# Altium PCB XTIDA-010086.PcbDoc (part 2 of 17)
Units mm, origin at the board's own origin, x right, y up, seen from the top; angles counter-clockwise.
Board outline 375 x 210 mm, 6 copper layers (Top Layer, GND Layer, Signal Layer 1, Signal Layer 2, Power Layer, Bottom Layer), stack 1.575 mm thick; 1884 components, 1036 nets, 4948 pads, 6791 vias.
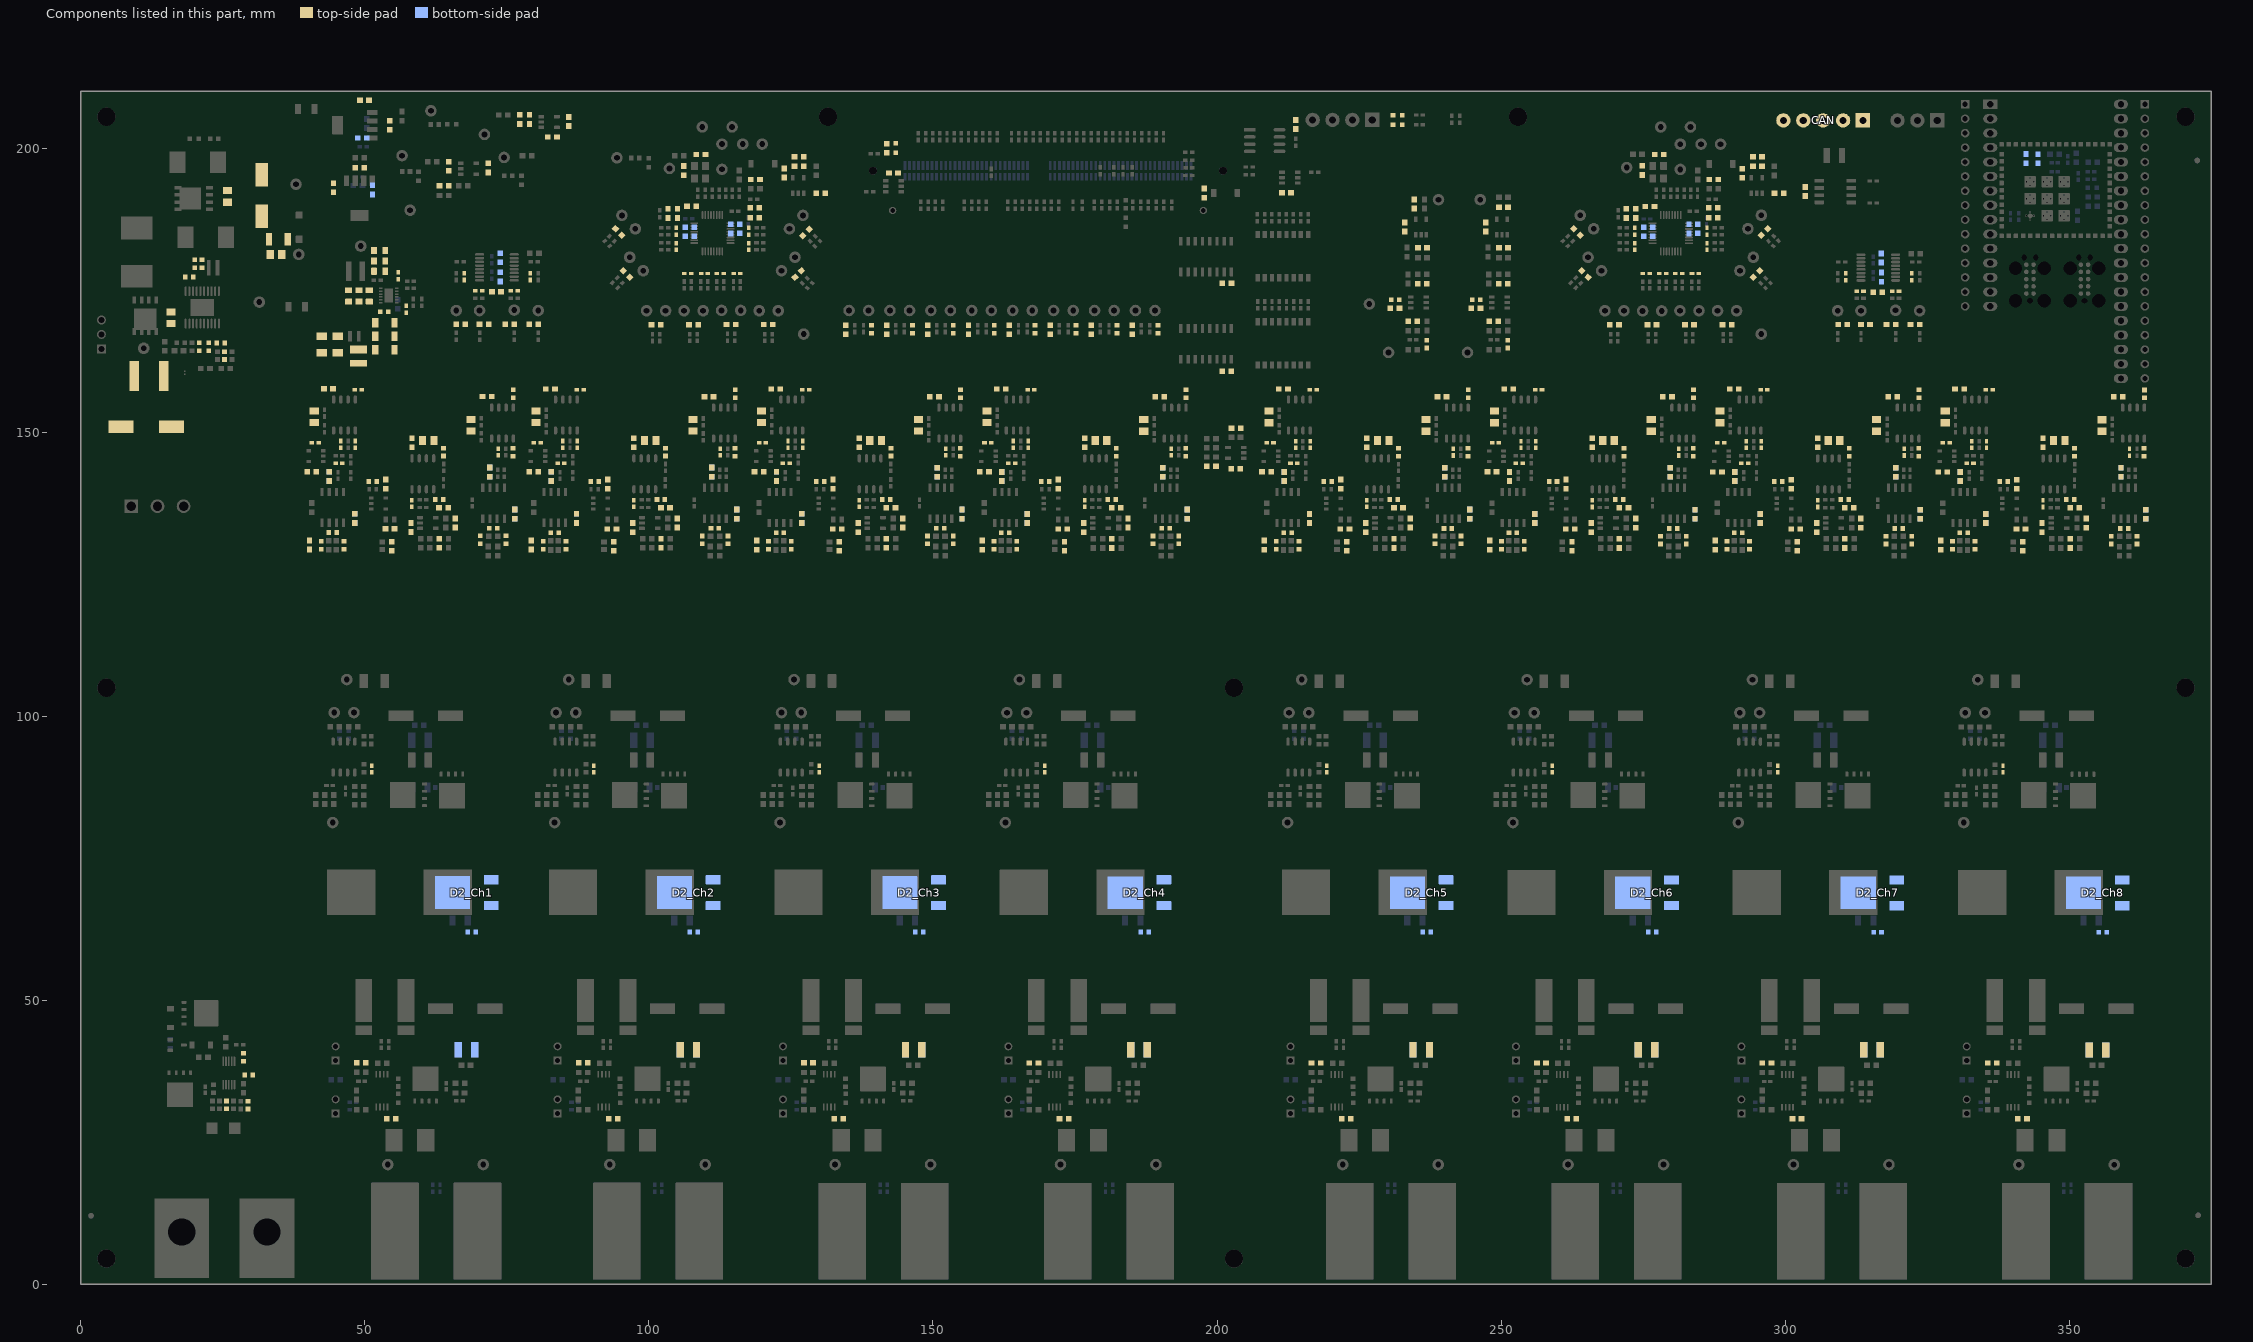
[diagram p6: the components of this part, seen from the top]

## Components (designator, comment, footprint, x,y, rotation, side; value= is the part's Value field where it differs from the comment) (continued)
C12_Ch2 "GRM32ER71A476ME15L" 1210_270 106.934,41.248 r0 top value=47uF (schematic designator C12)
C12_Ch3 "GRM32ER71A476ME15L" 1210_270 146.609,41.246 r0 top value=47uF (schematic designator C12)
C12_Ch4 "GRM32ER71A476ME15L" 1210_270 186.284,41.244 r0 top value=47uF (schematic designator C12)
C12_Ch5 "GRM32ER71A476ME15L" 1210_270 235.958,41.242 r0 top value=47uF (schematic designator C12)
C12_Ch6 "GRM32ER71A476ME15L" 1210_270 275.633,41.24 r0 top value=47uF (schematic designator C12)
C12_Ch7 "GRM32ER71A476ME15L" 1210_270 315.308,41.238 r0 top value=47uF (schematic designator C12)
C12_Ch8 "GRM32ER71A476ME15L" 1210_270 354.983,41.236 r0 top value=47uF (schematic designator C12)
C13_Ch1 "GRM32ER71A476ME15L" 1210_270 67.869,41.25 r0 bottom value=47uF (schematic designator C13)
C13_Ch2 "GRM32ER71A476ME15L" 1210_270 106.934,41.248 r0 bottom value=47uF (schematic designator C13)
C13_Ch3 "GRM32ER71A476ME15L" 1210_270 146.609,41.246 r0 bottom value=47uF (schematic designator C13)
C13_Ch4 "GRM32ER71A476ME15L" 1210_270 186.284,41.244 r0 bottom value=47uF (schematic designator C13)
C13_Ch5 "GRM32ER71A476ME15L" 1210_270 235.958,41.242 r0 bottom value=47uF (schematic designator C13)
C13_Ch6 "GRM32ER71A476ME15L" 1210_270 275.633,41.24 r0 bottom value=47uF (schematic designator C13)
C13_Ch7 "GRM32ER71A476ME15L" 1210_270 315.308,41.238 r0 bottom value=47uF (schematic designator C13)
C13_Ch8 "GRM32ER71A476ME15L" 1210_270 354.983,41.236 r0 bottom value=47uF (schematic designator C13)
C14_Ch1 "Capacitor" 0603 40.645,142.987 r0 top value=0.1uF (schematic designator C14)
C14_Ch2 "Capacitor" 0603 79.71,142.985 r0 top value=0.1uF (schematic designator C14)
C14_Ch3 "Capacitor" 0603 119.385,142.983 r0 top value=0.1uF (schematic designator C14)
C14_Ch4 "Capacitor" 0603 159.06,142.981 r0 top value=0.1uF (schematic designator C14)
C14_Ch5 "Capacitor" 0603 208.734,142.979 r0 top value=0.1uF (schematic designator C14)
C14_Ch6 "Capacitor" 0603 248.409,142.977 r0 top value=0.1uF (schematic designator C14)
C14_Ch7 "Capacitor" 0603 288.084,142.975 r0 top value=0.1uF (schematic designator C14)
C14_Ch8 "Capacitor" 0603 327.759,142.973 r0 top value=0.1uF (schematic designator C14)
C15_Ch1 "GRM1885C1H101JA01D" 0603L 68.834,61.976 r180 bottom value=100pF (schematic designator C15)
C15_Ch2 "GRM1885C1H101JA01D" 0603L 107.899,61.974 r180 bottom value=100pF (schematic designator C15)
C15_Ch3 "GRM1885C1H101JA01D" 0603L 147.574,61.972 r180 bottom value=100pF (schematic designator C15)
C15_Ch4 "GRM1885C1H101JA01D" 0603L 187.249,61.97 r180 bottom value=100pF (schematic designator C15)
C15_Ch5 "GRM1885C1H101JA01D" 0603L 236.924,61.968 r180 bottom value=100pF (schematic designator C15)
C15_Ch6 "GRM1885C1H101JA01D" 0603L 276.598,61.966 r180 bottom value=100pF (schematic designator C15)
C15_Ch7 "GRM1885C1H101JA01D" 0603L 316.273,61.964 r180 bottom value=100pF (schematic designator C15)
C15_Ch8 "GRM1885C1H101JA01D" 0603L 355.948,61.962 r180 bottom value=100pF (schematic designator C15)
C16_Ch1 "GRM155R71H122KA01D" 0402 45.45,144.515 r0 top value=1200pF (schematic designator C16)
C16_Ch2 "GRM155R71H122KA01D" 0402 84.515,144.513 r0 top value=1200pF (schematic designator C16)
C16_Ch3 "GRM155R71H122KA01D" 0402 124.19,144.511 r0 top value=1200pF (schematic designator C16)
C16_Ch4 "GRM155R71H122KA01D" 0402 163.865,144.509 r0 top value=1200pF (schematic designator C16)
C16_Ch5 "GRM155R71H122KA01D" 0402 213.539,144.507 r0 top value=1200pF (schematic designator C16)
C16_Ch6 "GRM155R71H122KA01D" 0402 253.214,144.505 r0 top value=1200pF (schematic designator C16)
C16_Ch7 "GRM155R71H122KA01D" 0402 292.889,144.503 r0 top value=1200pF (schematic designator C16)
C16_Ch8 "GRM155R71H122KA01D" 0402 332.564,144.501 r0 top value=1200pF (schematic designator C16)
C17_Ch1 "C0603C103J3GECAUTO" 0603 134.645,168.011 r270 top value=0.01uF (schematic designator C17)
C17_Ch2 "C0603C103J3GECAUTO" 0603 141.847,168.011 r270 top value=0.01uF (schematic designator C17)
C17_Ch3 "C0603C103J3GECAUTO" 0603 149.049,168.011 r270 top value=0.01uF (schematic designator C17)
C17_Ch4 "C0603C103J3GECAUTO" 0603 156.25,168.011 r270 top value=0.01uF (schematic designator C17)
C17_Ch5 "C0603C103J3GECAUTO" 0603 163.452,168.011 r270 top value=0.01uF (schematic designator C17)
C17_Ch6 "C0603C103J3GECAUTO" 0603 170.654,168.011 r270 top value=0.01uF (schematic designator C17)
C17_Ch7 "C0603C103J3GECAUTO" 0603 177.856,168.011 r270 top value=0.01uF (schematic designator C17)
C17_Ch8 "C0603C103J3GECAUTO" 0603 185.057,168.011 r270 top value=0.01uF (schematic designator C17)
C18_Ch1 "Capacitor" 0603 48.189,134.796 r90 bottom value=1uF (schematic designator C18)
C18_Ch2 "Capacitor" 0603 87.254,134.794 r90 bottom value=1uF (schematic designator C18)
C18_Ch3 "Capacitor" 0603 126.929,134.792 r90 bottom value=1uF (schematic designator C18)
C18_Ch4 "Capacitor" 0603 166.603,134.79 r90 bottom value=1uF (schematic designator C18)
C18_Ch5 "Capacitor" 0603 216.278,134.788 r90 bottom value=1uF (schematic designator C18)
C18_Ch6 "Capacitor" 0603 255.953,134.786 r90 bottom value=1uF (schematic designator C18)
C18_Ch7 "Capacitor" 0603 295.628,134.784 r90 bottom value=1uF (schematic designator C18)
C18_Ch8 "Capacitor" 0603 335.303,134.782 r90 bottom value=1uF (schematic designator C18)
C19_Ch1 "GRM1885C1H101JA01D" 0603L 44.333,132.29 r0 top value=100pF (schematic designator C19)
C19_Ch2 "GRM1885C1H101JA01D" 0603L 83.398,132.288 r0 top value=100pF (schematic designator C19)
C19_Ch3 "GRM1885C1H101JA01D" 0603L 123.073,132.286 r0 top value=100pF (schematic designator C19)
C19_Ch4 "GRM1885C1H101JA01D" 0603L 162.748,132.284 r0 top value=100pF (schematic designator C19)
C19_Ch5 "GRM1885C1H101JA01D" 0603L 212.423,132.282 r0 top value=100pF (schematic designator C19)
C19_Ch6 "GRM1885C1H101JA01D" 0603L 252.098,132.28 r0 top value=100pF (schematic designator C19)
C19_Ch7 "GRM1885C1H101JA01D" 0603L 291.772,132.278 r0 top value=100pF (schematic designator C19)
C19_Ch8 "GRM1885C1H101JA01D" 0603L 331.447,132.276 r0 top value=100pF (schematic designator C19)
C20_Ch1 "Capacitor" 0603 48.189,134.796 r90 top value=0.1uF (schematic designator C20)
C20_Ch2 "Capacitor" 0603 87.254,134.794 r90 top value=0.1uF (schematic designator C20)
C20_Ch3 "Capacitor" 0603 126.929,134.792 r90 top value=0.1uF (schematic designator C20)
C20_Ch4 "Capacitor" 0603 166.603,134.79 r90 top value=0.1uF (schematic designator C20)
C20_Ch5 "Capacitor" 0603 216.278,134.788 r90 top value=0.1uF (schematic designator C20)
C20_Ch6 "Capacitor" 0603 255.953,134.786 r90 top value=0.1uF (schematic designator C20)
C20_Ch7 "Capacitor" 0603 295.628,134.784 r90 top value=0.1uF (schematic designator C20)
C20_Ch8 "Capacitor" 0603 335.303,134.782 r90 top value=0.1uF (schematic designator C20)
C21_Ch1 "GRM1885C1H101JA01D" 0603L 46.32,130.085 r90 top value=DNP (schematic designator C21)
C21_Ch2 "GRM1885C1H101JA01D" 0603L 85.385,130.083 r90 top value=DNP (schematic designator C21)
C21_Ch3 "GRM1885C1H101JA01D" 0603L 125.06,130.081 r90 top value=DNP (schematic designator C21)
C21_Ch4 "GRM1885C1H101JA01D" 0603L 164.734,130.079 r90 top value=DNP (schematic designator C21)
C21_Ch5 "GRM1885C1H101JA01D" 0603L 214.409,130.077 r90 top value=DNP (schematic designator C21)
C21_Ch6 "GRM1885C1H101JA01D" 0603L 254.084,130.075 r90 top value=DNP (schematic designator C21)
C21_Ch7 "GRM1885C1H101JA01D" 0603L 293.759,130.073 r90 top value=DNP (schematic designator C21)
C21_Ch8 "GRM1885C1H101JA01D" 0603L 333.434,130.071 r90 top value=DNP (schematic designator C21)
C22_Ch1 "GRM1885C1H101JA01D" 0603L 42.332,130.085 r270 top value=DNP (schematic designator C22)
C22_Ch2 "GRM1885C1H101JA01D" 0603L 81.397,130.083 r270 top value=DNP (schematic designator C22)
C22_Ch3 "GRM1885C1H101JA01D" 0603L 121.072,130.081 r270 top value=DNP (schematic designator C22)
C22_Ch4 "GRM1885C1H101JA01D" 0603L 160.747,130.079 r270 top value=DNP (schematic designator C22)
C22_Ch5 "GRM1885C1H101JA01D" 0603L 210.421,130.077 r270 top value=DNP (schematic designator C22)
C22_Ch6 "GRM1885C1H101JA01D" 0603L 250.096,130.075 r270 top value=DNP (schematic designator C22)
C22_Ch7 "GRM1885C1H101JA01D" 0603L 289.771,130.073 r270 top value=DNP (schematic designator C22)
C22_Ch8 "GRM1885C1H101JA01D" 0603L 329.446,130.071 r270 top value=DNP (schematic designator C22)
C23_Ch1 "Capacitor" 0603 43.724,142.187 r90 top value=0.1uF (schematic designator C23)
C23_Ch2 "Capacitor" 0603 82.789,142.185 r90 top value=0.1uF (schematic designator C23)
C23_Ch3 "Capacitor" 0603 122.464,142.183 r90 top value=0.1uF (schematic designator C23)
C23_Ch4 "Capacitor" 0603 162.138,142.181 r90 top value=0.1uF (schematic designator C23)
C23_Ch5 "Capacitor" 0603 211.813,142.179 r90 top value=0.1uF (schematic designator C23)
C23_Ch6 "Capacitor" 0603 251.488,142.177 r90 top value=0.1uF (schematic designator C23)
C23_Ch7 "Capacitor" 0603 291.163,142.175 r90 top value=0.1uF (schematic designator C23)
C23_Ch8 "Capacitor" 0603 330.838,142.173 r90 top value=0.1uF (schematic designator C23)
C24_Ch1 "Capacitor" 0603 43.718,142.187 r90 bottom value=1uF (schematic designator C24)
C24_Ch2 "Capacitor" 0603 82.783,142.185 r90 bottom value=1uF (schematic designator C24)
C24_Ch3 "Capacitor" 0603 122.458,142.183 r90 bottom value=1uF (schematic designator C24)
C24_Ch4 "Capacitor" 0603 162.133,142.181 r90 bottom value=1uF (schematic designator C24)
C24_Ch5 "Capacitor" 0603 211.808,142.179 r90 bottom value=1uF (schematic designator C24)
C24_Ch6 "Capacitor" 0603 251.483,142.177 r90 bottom value=1uF (schematic designator C24)
C24_Ch7 "Capacitor" 0603 291.157,142.175 r90 bottom value=1uF (schematic designator C24)
C24_Ch8 "Capacitor" 0603 330.832,142.173 r90 bottom value=1uF (schematic designator C24)
C25_Ch1 "Capacitor" 0603 43.596,157.589 r180 top value=0.1uF (schematic designator C25)
C25_Ch2 "Capacitor" 0603 82.661,157.587 r180 top value=0.1uF (schematic designator C25)
C25_Ch3 "Capacitor" 0603 122.336,157.585 r180 top value=0.1uF (schematic designator C25)
C25_Ch4 "Capacitor" 0603 162.011,157.583 r180 top value=0.1uF (schematic designator C25)
C25_Ch5 "Capacitor" 0603 211.685,157.581 r180 top value=0.1uF (schematic designator C25)
C25_Ch6 "Capacitor" 0603 251.36,157.579 r180 top value=0.1uF (schematic designator C25)
C25_Ch7 "Capacitor" 0603 291.035,157.577 r180 top value=0.1uF (schematic designator C25)
C25_Ch8 "Capacitor" 0603 330.71,157.575 r180 top value=0.1uF (schematic designator C25)
C26_Ch1 "885012205044" 0402 48.843,157.445 r0 top value=1000pF (schematic designator C26)
C26_Ch2 "885012205044" 0402 87.908,157.443 r0 top value=1000pF (schematic designator C26)
C26_Ch3 "885012205044" 0402 127.583,157.441 r0 top value=1000pF (schematic designator C26)
C26_Ch4 "885012205044" 0402 167.258,157.439 r0 top value=1000pF (schematic designator C26)
C26_Ch5 "885012205044" 0402 216.933,157.437 r0 top value=1000pF (schematic designator C26)
C26_Ch6 "885012205044" 0402 256.607,157.435 r0 top value=1000pF (schematic designator C26)
C26_Ch7 "885012205044" 0402 296.282,157.433 r0 top value=1000pF (schematic designator C26)
C26_Ch8 "885012205044" 0402 335.957,157.431 r0 top value=1000pF (schematic designator C26)
C27_Ch1 "885012205044" 0402 48.335,147.828 r270 top value=1000pF (schematic designator C27)
C27_Ch2 "885012205044" 0402 87.4,147.826 r270 top value=1000pF (schematic designator C27)
C27_Ch3 "885012205044" 0402 127.075,147.824 r270 top value=1000pF (schematic designator C27)
C27_Ch4 "885012205044" 0402 166.75,147.822 r270 top value=1000pF (schematic designator C27)
C27_Ch5 "885012205044" 0402 216.425,147.82 r270 top value=1000pF (schematic designator C27)
C27_Ch6 "885012205044" 0402 256.099,147.818 r270 top value=1000pF (schematic designator C27)
C27_Ch7 "885012205044" 0402 295.774,147.816 r270 top value=1000pF (schematic designator C27)
C27_Ch8 "885012205044" 0402 335.449,147.814 r270 top value=1000pF (schematic designator C27)
C28_Ch1 "C0603C103J3GECAUTO" 0603 94.671,185.202 r315 top value=0.01uF (schematic designator C28)
C28_Ch2 "C0603C103J3GECAUTO" 0603 101.263,168.886 r0 top value=0.01uF (schematic designator C28)
C28_Ch3 "C0603C103J3GECAUTO" 0603 114.469,168.934 r0 top value=0.01uF (schematic designator C28)
C28_Ch4 "C0603C103J3GECAUTO" 0603 126.279,177.831 r45 top value=0.01uF (schematic designator C28)
C28_Ch5 "C0603C103J3GECAUTO" 0603 263.36,185.204 r315 top value=0.01uF (schematic designator C28)
C28_Ch6 "C0603C103J3GECAUTO" 0603 269.957,168.878 r0 top value=0.01uF (schematic designator C28)
C28_Ch7 "C0603C103J3GECAUTO" 0603 283.167,168.878 r0 top value=0.01uF (schematic designator C28)
C28_Ch8 "C0603C103J3GECAUTO" 0603 294.979,177.823 r45 top value=0.01uF (schematic designator C28)
C29_Ch1 "Capacitor" 0603 54.661,29.104 r0 top value=0.1uF (schematic designator C29)
C29_Ch2 "Capacitor" 0603 93.726,29.102 r0 top value=0.1uF (schematic designator C29)
C29_Ch3 "Capacitor" 0603 133.401,29.1 r0 top value=0.1uF (schematic designator C29)
C29_Ch4 "Capacitor" 0603 173.076,29.098 r0 top value=0.1uF (schematic designator C29)
C29_Ch5 "Capacitor" 0603 222.75,29.096 r0 top value=0.1uF (schematic designator C29)
C29_Ch6 "Capacitor" 0603 262.425,29.094 r0 top value=0.1uF (schematic designator C29)
C29_Ch7 "Capacitor" 0603 302.1,29.092 r0 top value=0.1uF (schematic designator C29)
C29_Ch8 "Capacitor" 0603 341.775,29.09 r0 top value=0.1uF (schematic designator C29)
C30 "C0603C104J3RACTU" 0603 231.319,171.795 r0 top value=0.1uF
C31_Ch1 "Capacitor" 0603 49.354,38.948 r180 top value=0.1uF (schematic designator C31)
C31_Ch2 "Capacitor" 0603 88.419,38.946 r180 top value=0.1uF (schematic designator C31)
C31_Ch3 "Capacitor" 0603 128.094,38.944 r180 top value=0.1uF (schematic designator C31)
C31_Ch4 "Capacitor" 0603 167.769,38.942 r180 top value=0.1uF (schematic designator C31)
C31_Ch5 "Capacitor" 0603 217.443,38.94 r180 top value=0.1uF (schematic designator C31)
C31_Ch6 "Capacitor" 0603 257.118,38.938 r180 top value=0.1uF (schematic designator C31)
C31_Ch7 "Capacitor" 0603 296.793,38.936 r180 top value=0.1uF (schematic designator C31)
C31_Ch8 "Capacitor" 0603 336.468,38.934 r180 top value=0.1uF (schematic designator C31)
C32 "C0603C105K3RACTU" 0603C 232.597,204.93 r90 top value=1uF
C33_Ch1 "GRM155R71H122KA01D" 0402 45.746,147.828 r270 top value=1200pF (schematic designator C33)
C33_Ch2 "GRM155R71H122KA01D" 0402 84.811,147.826 r270 top value=1200pF (schematic designator C33)
C33_Ch3 "GRM155R71H122KA01D" 0402 124.486,147.824 r270 top value=1200pF (schematic designator C33)
C33_Ch4 "GRM155R71H122KA01D" 0402 164.161,147.822 r270 top value=1200pF (schematic designator C33)
C33_Ch5 "GRM155R71H122KA01D" 0402 213.836,147.82 r270 top value=1200pF (schematic designator C33)
C33_Ch6 "GRM155R71H122KA01D" 0402 253.511,147.818 r270 top value=1200pF (schematic designator C33)
C33_Ch7 "GRM155R71H122KA01D" 0402 293.185,147.816 r270 top value=1200pF (schematic designator C33)
C33_Ch8 "GRM155R71H122KA01D" 0402 332.86,147.814 r270 top value=1200pF (schematic designator C33)
C34 "C0603C105K3RACTU" 0603C 230.978,204.93 r90 top value=1uF
C35_Ch1 "GRM2195C1H752JA01D" 0805_HV 41.082,152.679 r270 top value=7500pF (schematic designator C35)
C35_Ch2 "GRM2195C1H752JA01D" 0805_HV 80.147,152.677 r270 top value=7500pF (schematic designator C35)
C35_Ch3 "GRM2195C1H752JA01D" 0805_HV 119.822,152.675 r270 top value=7500pF (schematic designator C35)
C35_Ch4 "GRM2195C1H752JA01D" 0805_HV 159.497,152.673 r270 top value=7500pF (schematic designator C35)
C35_Ch5 "GRM2195C1H752JA01D" 0805_HV 209.171,152.671 r270 top value=7500pF (schematic designator C35)
C35_Ch6 "GRM2195C1H752JA01D" 0805_HV 248.846,152.669 r270 top value=7500pF (schematic designator C35)
C35_Ch7 "GRM2195C1H752JA01D" 0805_HV 288.521,152.667 r270 top value=7500pF (schematic designator C35)
C35_Ch8 "GRM2195C1H752JA01D" 0805_HV 328.196,152.665 r270 top value=7500pF (schematic designator C35)
C36_Ch1 "Capacitor" 0603 58.293,148.113 r90 top value=0.1uF (schematic designator C36)
C36_Ch2 "Capacitor" 0603 97.358,148.111 r90 top value=0.1uF (schematic designator C36)
C36_Ch3 "Capacitor" 0603 137.033,148.109 r90 top value=0.1uF (schematic designator C36)
C36_Ch4 "Capacitor" 0603 176.708,148.107 r90 top value=0.1uF (schematic designator C36)
C36_Ch5 "Capacitor" 0603 226.383,148.105 r90 top value=0.1uF (schematic designator C36)
C36_Ch6 "Capacitor" 0603 266.057,148.103 r90 top value=0.1uF (schematic designator C36)
C36_Ch7 "Capacitor" 0603 305.732,148.101 r90 top value=0.1uF (schematic designator C36)
C36_Ch8 "Capacitor" 0603 345.407,148.099 r90 top value=0.1uF (schematic designator C36)
C37_Ch1 "GRM1885C1H102JA01D" 0603L 139.174,168.111 r90 top value=1000pF (schematic designator C37)
C37_Ch2 "GRM1885C1H102JA01D" 0603L 146.376,168.111 r90 top value=1000pF (schematic designator C37)
C37_Ch3 "GRM1885C1H102JA01D" 0603L 153.577,168.111 r90 top value=1000pF (schematic designator C37)
C37_Ch4 "GRM1885C1H102JA01D" 0603L 160.779,168.111 r90 top value=1000pF (schematic designator C37)
C37_Ch5 "GRM1885C1H102JA01D" 0603L 167.981,168.111 r90 top value=1000pF (schematic designator C37)
C37_Ch6 "GRM1885C1H102JA01D" 0603L 175.182,168.111 r90 top value=1000pF (schematic designator C37)
C37_Ch7 "GRM1885C1H102JA01D" 0603L 182.384,168.111 r90 top value=1000pF (schematic designator C37)
C37_Ch8 "GRM1885C1H102JA01D" 0603L 189.586,168.111 r90 top value=1000pF (schematic designator C37)
C38_Ch1 "GRM1885C1H102JA01D" 0603L 63.857,146.484 r270 top value=1000pF (schematic designator C38)
C38_Ch2 "GRM1885C1H102JA01D" 0603L 102.922,146.482 r270 top value=1000pF (schematic designator C38)
C38_Ch3 "GRM1885C1H102JA01D" 0603L 142.597,146.48 r270 top value=1000pF (schematic designator C38)
C38_Ch4 "GRM1885C1H102JA01D" 0603L 182.272,146.478 r270 top value=1000pF (schematic designator C38)
C38_Ch5 "GRM1885C1H102JA01D" 0603L 231.947,146.476 r270 top value=1000pF (schematic designator C38)
C38_Ch6 "GRM1885C1H102JA01D" 0603L 271.622,146.474 r270 top value=1000pF (schematic designator C38)
C38_Ch7 "GRM1885C1H102JA01D" 0603L 311.296,146.472 r270 top value=1000pF (schematic designator C38)
C38_Ch8 "GRM1885C1H102JA01D" 0603L 350.971,146.47 r270 top value=1000pF (schematic designator C38)
C39_Ch1 "GRM1885C1H102JA01D" 0603L 76.124,156.718 r270 top value=1000pF (schematic designator C39)
C39_Ch2 "GRM1885C1H102JA01D" 0603L 115.189,156.716 r270 top value=1000pF (schematic designator C39)
C39_Ch3 "GRM1885C1H102JA01D" 0603L 154.864,156.714 r270 top value=1000pF (schematic designator C39)
C39_Ch4 "GRM1885C1H102JA01D" 0603L 194.539,156.712 r270 top value=1000pF (schematic designator C39)
C39_Ch5 "GRM1885C1H102JA01D" 0603L 244.213,156.71 r270 top value=1000pF (schematic designator C39)
C39_Ch6 "GRM1885C1H102JA01D" 0603L 283.888,156.708 r270 top value=1000pF (schematic designator C39)
C39_Ch7 "GRM1885C1H102JA01D" 0603L 323.563,156.706 r270 top value=1000pF (schematic designator C39)
C39_Ch8 "GRM1885C1H102JA01D" 0603L 363.238,156.704 r270 top value=1000pF (schematic designator C39)
C40_Ch1 "C0603C103J3GECAUTO" 0603 96.051,177.837 r135 top value=0.01uF (schematic designator C40)
C40_Ch2 "C0603C103J3GECAUTO" 0603 107.866,168.886 r180 top value=0.01uF (schematic designator C40)
C40_Ch3 "C0603C103J3GECAUTO" 0603 121.025,168.936 r180 top value=0.01uF (schematic designator C40)
C40_Ch4 "C0603C103J3GECAUTO" 0603 127.657,185.126 r225 top value=0.01uF (schematic designator C40)
C40_Ch5 "C0603C103J3GECAUTO" 0603 264.753,177.823 r135 top value=0.01uF (schematic designator C40)
C40_Ch6 "C0603C103J3GECAUTO" 0603 276.565,168.878 r180 top value=0.01uF (schematic designator C40)
C40_Ch7 "C0603C103J3GECAUTO" 0603 289.784,168.878 r180 top value=0.01uF (schematic designator C40)
C40_Ch8 "C0603C103J3GECAUTO" 0603 296.366,185.198 r225 top value=0.01uF (schematic designator C40)
C41 "ZRB18AD71A106KE01L" 0603L 231.396,173.294 r0 top value=10uF
C42 "GRM188R71E105KA12D" 0603 234.694,190.147 r90 top value=1uF
C43 "C0603C104J3RACTU" 0603 233.072,186.095 r90 top value=0.1uF
C44 "C0603C104J3RACTU" 0603 236.127,176.11 r180 top value=0.1uF
C45_Ch1 "Capacitor" 0603 58.115,133.191 r270 top value=0.1uF (schematic designator C45)
C45_Ch2 "Capacitor" 0603 97.18,133.189 r270 top value=0.1uF (schematic designator C45)
C45_Ch3 "Capacitor" 0603 136.855,133.187 r270 top value=0.1uF (schematic designator C45)
C45_Ch4 "Capacitor" 0603 176.53,133.185 r270 top value=0.1uF (schematic designator C45)
C45_Ch5 "Capacitor" 0603 226.205,133.183 r270 top value=0.1uF (schematic designator C45)
C45_Ch6 "Capacitor" 0603 265.88,133.181 r270 top value=0.1uF (schematic designator C45)
C45_Ch7 "Capacitor" 0603 305.554,133.179 r270 top value=0.1uF (schematic designator C45)
C45_Ch8 "Capacitor" 0603 345.229,133.177 r270 top value=0.1uF (schematic designator C45)
C46 "06035A101JAT2A" 0603 234.444,169.509 r180 top value=100pF
C47 "ZRB18AD71A106KE01L" 0603L 236.927,165.496 r270 top value=10uF
C48_Ch1 "GRM155R71H122KA01D" 0402 58.281,137.42 r270 top value=1200pF (schematic designator C48)
C48_Ch2 "GRM155R71H122KA01D" 0402 97.347,137.418 r270 top value=1200pF (schematic designator C48)
C48_Ch3 "GRM155R71H122KA01D" 0402 137.021,137.416 r270 top value=1200pF (schematic designator C48)
C48_Ch4 "GRM155R71H122KA01D" 0402 176.696,137.414 r270 top value=1200pF (schematic designator C48)
C48_Ch5 "GRM155R71H122KA01D" 0402 226.371,137.412 r270 top value=1200pF (schematic designator C48)
C48_Ch6 "GRM155R71H122KA01D" 0402 266.046,137.41 r270 top value=1200pF (schematic designator C48)
C48_Ch7 "GRM155R71H122KA01D" 0402 305.721,137.408 r270 top value=1200pF (schematic designator C48)
C48_Ch8 "GRM155R71H122KA01D" 0402 345.395,137.406 r270 top value=1200pF (schematic designator C48)
C49_Ch1 "GRM1885C1H102JA01D" 0603L 63.056,138.118 r180 top value=1000pF (schematic designator C49)
C49_Ch2 "GRM1885C1H102JA01D" 0603L 102.121,138.116 r180 top value=1000pF (schematic designator C49)
C49_Ch3 "GRM1885C1H102JA01D" 0603L 141.796,138.114 r180 top value=1000pF (schematic designator C49)
C49_Ch4 "GRM1885C1H102JA01D" 0603L 181.47,138.112 r180 top value=1000pF (schematic designator C49)
C49_Ch5 "GRM1885C1H102JA01D" 0603L 231.145,138.11 r180 top value=1000pF (schematic designator C49)
C49_Ch6 "GRM1885C1H102JA01D" 0603L 270.82,138.108 r180 top value=1000pF (schematic designator C49)
C49_Ch7 "GRM1885C1H102JA01D" 0603L 310.495,138.106 r180 top value=1000pF (schematic designator C49)
C49_Ch8 "GRM1885C1H102JA01D" 0603L 350.17,138.104 r180 top value=1000pF (schematic designator C49)
C50_Ch1 "GRM2195C1H752JA01D" 0805_HV 61.163,148.488 r0 top value=7500pF (schematic designator C50)
C50_Ch2 "GRM2195C1H752JA01D" 0805_HV 100.228,148.486 r0 top value=7500pF (schematic designator C50)
C50_Ch3 "GRM2195C1H752JA01D" 0805_HV 139.903,148.484 r0 top value=7500pF (schematic designator C50)
C50_Ch4 "GRM2195C1H752JA01D" 0805_HV 179.578,148.484 r0 top value=7500pF (schematic designator C50)
C50_Ch5 "GRM2195C1H752JA01D" 0805_HV 229.253,148.484 r0 top value=7500pF (schematic designator C50)
C50_Ch6 "GRM2195C1H752JA01D" 0805_HV 268.928,148.484 r0 top value=7500pF (schematic designator C50)
C50_Ch7 "GRM2195C1H752JA01D" 0805_HV 308.602,148.484 r0 top value=7500pF (schematic designator C50)
C50_Ch8 "GRM2195C1H752JA01D" 0805_HV 348.277,148.484 r0 top value=7500pF (schematic designator C50)
C51 "CGA2B2C0G1H100D050BA" 0402 67.485,177.362 r270 top value=10pF
C52_Ch1 "Capacitor" 0603 63.068,130.409 r90 top value=1uF (schematic designator C52)
C52_Ch2 "Capacitor" 0603 102.133,130.407 r90 top value=1uF (schematic designator C52)
C52_Ch3 "Capacitor" 0603 141.808,130.405 r90 top value=1uF (schematic designator C52)
C52_Ch4 "Capacitor" 0603 181.483,130.403 r90 top value=1uF (schematic designator C52)
C52_Ch5 "Capacitor" 0603 231.158,130.401 r90 top value=1uF (schematic designator C52)
C52_Ch6 "Capacitor" 0603 270.833,130.399 r90 top value=1uF (schematic designator C52)
C52_Ch7 "Capacitor" 0603 310.507,130.397 r90 top value=1uF (schematic designator C52)
C52_Ch8 "Capacitor" 0603 350.182,130.395 r90 top value=1uF (schematic designator C52)
C53_Ch1 "Capacitor" 0603 63.856,136.683 r0 top value=0.1uF (schematic designator C53)
C53_Ch2 "Capacitor" 0603 102.921,136.681 r0 top value=0.1uF (schematic designator C53)
C53_Ch3 "Capacitor" 0603 142.596,136.679 r0 top value=0.1uF (schematic designator C53)
C53_Ch4 "Capacitor" 0603 182.27,136.677 r0 top value=0.1uF (schematic designator C53)
C53_Ch5 "Capacitor" 0603 231.945,136.675 r0 top value=0.1uF (schematic designator C53)
C53_Ch6 "Capacitor" 0603 271.62,136.673 r0 top value=0.1uF (schematic designator C53)
C53_Ch7 "Capacitor" 0603 311.295,136.671 r0 top value=0.1uF (schematic designator C53)
C53_Ch8 "Capacitor" 0603 350.97,136.669 r0 top value=0.1uF (schematic designator C53)
C54_Ch1 "Capacitor" 0603 65.913,133.991 r90 top value=0.1uF (schematic designator C54)
C54_Ch2 "Capacitor" 0603 104.978,133.989 r90 top value=0.1uF (schematic designator C54)
C54_Ch3 "Capacitor" 0603 144.653,133.987 r90 top value=0.1uF (schematic designator C54)
C54_Ch4 "Capacitor" 0603 184.328,133.985 r90 top value=0.1uF (schematic designator C54)
C54_Ch5 "Capacitor" 0603 234.003,133.983 r90 top value=0.1uF (schematic designator C54)
C54_Ch6 "Capacitor" 0603 273.677,133.981 r90 top value=0.1uF (schematic designator C54)
C54_Ch7 "Capacitor" 0603 313.352,133.979 r90 top value=0.1uF (schematic designator C54)
C54_Ch8 "Capacitor" 0603 353.027,133.977 r90 top value=0.1uF (schematic designator C54)
C55 "C0603C104J3RACTU" 0603 236.171,182.476 r0 top value=0.1uF
C56 "C0603C104J3RACTU" 0603L 28.634,39.918 r90 top value=0.1uF
C57 "GRM1885C1H103JA01D" 0603L 25.629,31.541 r90 top value=0.01uF
C58 "C0603C105K3RACTU" 0603L 29.578,36.843 r0 top value=1uF
C59 "GRM1885C1H103JA01D" 0603L 29.396,31.536 r90 top value=0.01uF
C60 "CGA2B2C0G1H100D050BA" 0402 104.803,185.357 r270 top value=10pF
C61 "CGA2B2C0G1H100D050BA" 0402 104.803,182.671 r270 top value=10pF
C62 "Capacitor" 0603 107.509,189.713 r0 top value=0.1uF
C63 "CGA2B2C0G1H100D050BA" 0402 106.847,177.912 r0 top value=10pF
C64 "Capacitor" 0603 109.147,198.857 r180 top value=0.1uF
C65 "CGA2B2C0G1H100D050BA" 0402 109.782,177.912 r0 top value=10pF
C66 "CGA2B2C0G1H100D050BA" 0402 112.576,177.912 r0 top value=10pF
C67 "CGA2B2C0G1H100D050BA" 0402 115.511,177.912 r0 top value=10pF
C68 "CGA2B2C0G1H100D050BA" 0402 117.554,182.671 r90 top value=10pF
C69 "Capacitor" 0603 106.404,185.268 r270 bottom value=1uF
C70 "Capacitor" 0603 107.979,185.264 r270 bottom value=0.1uF
C71 "CGA2B2C0G1H100D050BA" 0402 117.554,185.357 r90 top value=10pF
C72 "Capacitor" 0603 118.748,194.463 r180 top value=10pF
C73 "Capacitor" 0603 105.032,188.494 r90 top value=0.1uF
C74 "Capacitor" 0603 103.356,188.494 r90 top value=1uF
C75 "Capacitor" 0603 115.954,185.776 r90 bottom value=1uF
C76 "Capacitor" 0603 114.379,185.764 r90 bottom value=0.1uF
C77 "Capacitor" 0603 118.646,189.51 r0 top value=0.1uF
C78 "Capacitor" 0603 118.646,187.757 r0 top value=1uF
C79 "Capacitor" 0603 126.437,198.462 r180 top value=1uF
C80 "Capacitor" 0603 126.437,196.786 r180 top value=0.1uF
C81 "CGA2B2C0G1H100D050BA" 0402 273.503,185.349 r270 top value=10pF
C82 "CGA2B2C0G1H100D050BA" 0402 273.503,182.663 r270 top value=10pF
C83 "Capacitor" 0603 276.208,189.705 r0 top value=0.1uF
C84 "CGA2B2C0G1H100D050BA" 0402 275.546,177.904 r0 top value=10pF
C85 "Capacitor" 0603 277.846,198.849 r180 top value=0.1uF
C86 "CGA2B2C0G1H100D050BA" 0402 278.481,177.904 r0 top value=10pF
C87 "CGA2B2C0G1H100D050BA" 0402 281.275,177.904 r0 top value=10pF
C88 "CGA2B2C0G1H100D050BA" 0402 284.21,177.904 r0 top value=10pF
C89 "CGA2B2C0G1H100D050BA" 0402 286.253,182.663 r90 top value=10pF
C90 "Capacitor" 0603 275.103,185.26 r270 bottom value=1uF
C91 "Capacitor" 0603 276.678,185.256 r270 bottom value=0.1uF
C92 "CGA2B2C0G1H100D050BA" 0402 286.253,185.349 r90 top value=10pF
C93 "Capacitor" 0603 287.447,194.455 r180 top value=10pF
C94 "Capacitor" 0603 273.731,188.486 r90 top value=0.1uF
C95 "Capacitor" 0603 272.055,188.486 r90 top value=1uF
C96 "Capacitor" 0603 284.653,185.768 r90 bottom value=1uF
C97 "Capacitor" 0603 283.078,185.756 r90 bottom value=0.1uF
C98 "Capacitor" 0603 287.346,189.502 r0 top value=0.1uF
C99 "Capacitor" 0603 287.346,187.749 r0 top value=1uF
C100 "Capacitor" 0603 295.136,198.455 r180 top value=1uF
C101 "Capacitor" 0603 295.146,196.768 r180 top value=0.1uF
C102 "C0603C105K3RACTU" 0603 64.781,196.796 r270 top value=1uF
C103 "C0603C105K3RACTU" 0603 71.69,196.491 r270 top value=1uF
C104 "EMK212BB7106MG-T" 0805_HV1 50.775,173.965 r90 top value=10uF
C105 "C0603C105K3RACTU" 0603 44.475,192.989 r270 top value=1uF
C106 "EMK212BB7106MG-T" 0805_HV1 48.958,173.965 r90 top value=10uF
C107 "EMK212BB7106MG-T" 0805_HV1 47.142,173.965 r90 top value=10uF
C108 "C0603C105K3RACTU" 0603 49.093,196.559 r0 top value=1uF
C109 "EMVH101ADA220MJA0G" CAPSMT_62_JA0 11.544,150.894 r0 top value=22uF
C110 "C5750X7S2A106M230KB" 2220_250 12.002,159.835 r0 top value=10uF
C111 "C2012X7R2A104K125AA" 0805_HV 15.837,170.122 r90 top value=0.1uF
C112 "GRM188R72A104KA35D" 0603L 19.088,177.31 r0 top value=0.1uF
C113 "APXA160ARA181MHC0G" CAPSMT_62_HC0 31.839,191.661 r270 top value=180uF
C114 "C2012X7R1C225K125AB" 0805_HV 25.794,191.483 r270 top value=2.2uF
C115 "GRM1885C2A152JA01D" 0603L 24.651,165.677 r180 top value=1500pF
C116 "GRM188R72A104KA35D" 0603L 22.53,164.991 r270 top value=0.1uF
C117 "C1608C0G2A331J080AA" 0603L 20.841,164.991 r270 top value=330pF
C118 "GRM188R71E105KA12D" 0603L 20.053,179.596 r90 top value=1uF
C119 "GRM188R71E105KA12D" 0603L 21.323,179.596 r90 top value=1uF
C120 "GRM188R71H563KA93D" 0603L 25.291,163.472 r270 top value=0.056uF
C121 "C2012X7R2A104K125AA" 0805_HV 34.361,181.264 r180 top value=0.1uF
C122 "Capacitor" 0603 73.799,177.311 r270 bottom value=0.1uF
C123 "Capacitor" 0603 143.058,195.605 r0 top value=0.1uF
C124 "Capacitor" 0603 201.732,160.718 r180 top value=1uF
C125 "Capacitor" 0603 201.744,176.164 r180 top value=1uF
C126 "C0603C103J3GECAUTO" 0603 197.779,192.062 r90 top value=0.01uF
C127 "Capacitor" 0603 123.79,195.599 r270 top value=0.1uF
C128 "Capacitor" 0603 292.456,195.559 r270 top value=0.1uF
C129 "Capacitor" 0603 73.795,180.663 r90 bottom value=0.1uF
C130 "CGA2B2C0G1H100D050BA" 0402 70.038,174.847 r180 top value=10pF
C131 "Capacitor" 0603 73.162,174.669 r180 top value=0.1uF
C132 "CGA2B2C0G1H100D050BA" 0402 76.288,174.847 r0 top value=10pF
C133 "CGA2B2C0G1H100D050BA" 0402 79.118,177.362 r270 top value=10pF
C134 "Capacitor" 0603 212.226,192.102 r180 top value=0.1uF
C135 "Capacitor" 0603 213.843,204.14 r90 top value=1uF
C136 "C0603C104J3RACTU" 0603 245.572,171.795 r0 top value=0.1uF
C137 "C3225X7R1H106M250AC" 1210_280 34.768,183.957 r180 top value=10uF
C138 "Capacitor" 0603 78.982,205.029 r270 top value=0.1uF
C139 "GRM188R61E106MA73D" 0603 77.267,205.029 r270 top value=10uF
C140 "C0603C105K3RACTU" 0603 49.936,208.432 r180 top value=1uF
C141 "C0603C105K3RACTU" 0603 54.407,203.987 r270 top value=1uF
C142 "Capacitor" 0603 51.333,192.626 r270 bottom value=0.1uF
C143 "Capacitor" 0603 49.53,201.767 r180 bottom value=0.1uF
C144 "Capacitor" 0603 130.251,192.049 r0 top value=0.1uF
C145 "Capacitor" 0603 298.947,192.045 r0 top value=0.1uF
C146 "Capacitor" 0603 63.942,193.356 r180 top value=0.1uF
C147_Ch1 "GRM155R71H122KA01D" 0402 41.254,148.147 r180 top value=1200pF (schematic designator C147)
C147_Ch2 "GRM155R71H122KA01D" 0402 80.319,148.145 r180 top value=1200pF (schematic designator C147)
C147_Ch3 "GRM155R71H122KA01D" 0402 119.994,148.143 r180 top value=1200pF (schematic designator C147)
C147_Ch4 "GRM155R71H122KA01D" 0402 159.668,148.141 r180 top value=1200pF (schematic designator C147)
C147_Ch5 "GRM155R71H122KA01D" 0402 209.343,148.139 r180 top value=1200pF (schematic designator C147)
C147_Ch6 "GRM155R71H122KA01D" 0402 249.018,148.137 r180 top value=1200pF (schematic designator C147)
C147_Ch7 "GRM155R71H122KA01D" 0402 288.693,148.135 r180 top value=1200pF (schematic designator C147)
C147_Ch8 "GRM155R71H122KA01D" 0402 328.368,148.133 r180 top value=1200pF (schematic designator C147)
C148 "Capacitor" 0603 106.147,196.025 r270 top value=0.1uF
C149 "Capacitor" 0603 274.829,196.05 r270 top value=0.1uF
C150 "Capacitor" 0603 303.529,192.346 r90 top value=1uF
C151_Ch1 "GRM155R71H122KA01D" 0402 73.508,146.482 r270 top value=1200pF (schematic designator C151)
C151_Ch2 "GRM155R71H122KA01D" 0402 112.573,146.48 r270 top value=1200pF (schematic designator C151)
C151_Ch3 "GRM155R71H122KA01D" 0402 152.248,146.478 r270 top value=1200pF (schematic designator C151)
C151_Ch4 "GRM155R71H122KA01D" 0402 191.922,146.476 r270 top value=1200pF (schematic designator C151)
C151_Ch5 "GRM155R71H122KA01D" 0402 241.597,146.474 r270 top value=1200pF (schematic designator C151)
C151_Ch6 "GRM155R71H122KA01D" 0402 281.272,146.472 r270 top value=1200pF (schematic designator C151)
C151_Ch7 "GRM155R71H122KA01D" 0402 320.947,146.47 r270 top value=1200pF (schematic designator C151)
C151_Ch8 "GRM155R71H122KA01D" 0402 360.622,146.468 r270 top value=1200pF (schematic designator C151)
C152 "EMK316BB7226ML-T" 1206_190 53.505,164.49 r0 top value=22uF
C153 "EMK316BB7226ML-T" 1206_190 53.505,166.865 r0 top value=22uF
C154 "EMK316BB7226ML-T" 1206_190 53.505,169.24 r0 top value=22uF
C155 "EMK107BB7225KA-T" 0603_HV 53.397,171.173 r0 top value=2.2uF
C156 "F951C476MBAAQ2" F95_B 48.908,163.296 r270 top value=47uF
C157 "GRM319R61E475KA12D" 1206 42.405,165.404 r270 top value=4.7uF
C158 "GRM319R61E475KA12D" 1206 45.199,165.404 r270 top value=4.7uF
C159 "C1005X5R1C105K050BC" 0402 55.905,177.521 r270 top value=1uF
C160 "C2012X7S1A226M125AC" 0805_HV1 52.603,178.308 r0 top value=22uF
C161 "C2012X7S1A226M125AC" 0805_HV1 52.603,180.124 r0 top value=22uF
C162 "C2012X7S1A226M125AC" 0805_HV1 52.603,181.94 r0 top value=22uF
C163 "GRM188R61E106MA73D" 0603 85.852,204.673 r270 top value=10uF
C164 "GRM155R71C224KA12D" 0402 57.252,171.628 r270 top value=0.22uF
C165 "06031C103KAT2A" 0603 83.007,201.93 r180 top value=0.01uF
C166_Ch1 "Capacitor" 0603 72.015,142.946 r90 top value=0.1uF (schematic designator C166)
C166_Ch2 "Capacitor" 0603 111.08,142.944 r90 top value=0.1uF (schematic designator C166)
C166_Ch3 "Capacitor" 0603 150.755,142.942 r90 top value=0.1uF (schematic designator C166)
C166_Ch4 "Capacitor" 0603 190.43,142.94 r90 top value=0.1uF (schematic designator C166)
C166_Ch5 "Capacitor" 0603 240.104,142.938 r90 top value=0.1uF (schematic designator C166)
C166_Ch6 "Capacitor" 0603 279.779,142.936 r90 top value=0.1uF (schematic designator C166)
C166_Ch7 "Capacitor" 0603 319.454,142.934 r90 top value=0.1uF (schematic designator C166)
C166_Ch8 "Capacitor" 0603 359.129,142.932 r90 top value=0.1uF (schematic designator C166)
C167_Ch1 "Capacitor" 0603 71.513,156.249 r180 top value=0.1uF (schematic designator C167)
C167_Ch2 "Capacitor" 0603 110.578,156.247 r180 top value=0.1uF (schematic designator C167)
C167_Ch3 "Capacitor" 0603 150.253,156.245 r180 top value=0.1uF (schematic designator C167)
C167_Ch4 "Capacitor" 0603 189.928,156.243 r180 top value=0.1uF (schematic designator C167)
C167_Ch5 "Capacitor" 0603 239.603,156.241 r180 top value=0.1uF (schematic designator C167)
C167_Ch6 "Capacitor" 0603 279.278,156.239 r180 top value=0.1uF (schematic designator C167)
C167_Ch7 "Capacitor" 0603 318.952,156.237 r180 top value=0.1uF (schematic designator C167)
C167_Ch8 "Capacitor" 0603 358.627,156.235 r180 top value=0.1uF (schematic designator C167)
C168_Ch1 "" 0603L 72.564,133.058 r0 top value=10pF (schematic designator C168)
C168_Ch2 "" 0603L 111.629,133.056 r0 top value=10pF (schematic designator C168)
C168_Ch3 "" 0603L 151.304,133.054 r0 top value=10pF (schematic designator C168)
C168_Ch4 "" 0603L 190.979,133.052 r0 top value=10pF (schematic designator C168)
C168_Ch5 "" 0603L 240.654,133.05 r0 top value=10pF (schematic designator C168)
C168_Ch6 "" 0603L 280.329,133.048 r0 top value=10pF (schematic designator C168)
C168_Ch7 "" 0603L 320.003,133.046 r0 top value=10pF (schematic designator C168)
C168_Ch8 "" 0603L 359.678,133.044 r0 top value=10pF (schematic designator C168)
C169 "C0603C103J3GECAUTO" 0603 141.866,199.947 r90 top value=0.01uF
C170_Ch1 "GRM1885C1H102JA01D" 0603L 76.073,146.456 r90 top value=1000pF (schematic designator C170)
C170_Ch2 "GRM1885C1H102JA01D" 0603L 115.138,146.454 r90 top value=1000pF (schematic designator C170)
C170_Ch3 "GRM1885C1H102JA01D" 0603L 154.813,146.452 r90 top value=1000pF (schematic designator C170)
C170_Ch4 "GRM1885C1H102JA01D" 0603L 194.488,146.45 r90 top value=1000pF (schematic designator C170)
C170_Ch5 "GRM1885C1H102JA01D" 0603L 244.163,146.448 r90 top value=1000pF (schematic designator C170)
C170_Ch6 "GRM1885C1H102JA01D" 0603L 283.837,146.446 r90 top value=1000pF (schematic designator C170)
C170_Ch7 "GRM1885C1H102JA01D" 0603L 323.512,146.444 r90 top value=1000pF (schematic designator C170)
C170_Ch8 "GRM1885C1H102JA01D" 0603L 363.187,146.442 r90 top value=1000pF (schematic designator C170)
C171_Ch1 "GRM1885C1H101JA01D" 0603L 70.311,131.007 r270 top value=DNP (schematic designator C171)
C171_Ch2 "GRM1885C1H101JA01D" 0603L 109.376,131.005 r270 top value=DNP (schematic designator C171)
C171_Ch3 "GRM1885C1H101JA01D" 0603L 149.051,131.003 r270 top value=DNP (schematic designator C171)
C171_Ch4 "GRM1885C1H101JA01D" 0603L 188.726,131.001 r270 top value=DNP (schematic designator C171)
C171_Ch5 "GRM1885C1H101JA01D" 0603L 238.401,130.999 r270 top value=DNP (schematic designator C171)
C171_Ch6 "GRM1885C1H101JA01D" 0603L 278.075,130.997 r270 top value=DNP (schematic designator C171)
C171_Ch7 "GRM1885C1H101JA01D" 0603L 317.75,130.995 r270 top value=DNP (schematic designator C171)
C171_Ch8 "GRM1885C1H101JA01D" 0603L 357.425,130.993 r270 top value=DNP (schematic designator C171)
C172_Ch1 "GRM1885C1H101JA01D" 0603L 74.844,131.007 r270 top value=DNP (schematic designator C172)
C172_Ch2 "GRM1885C1H101JA01D" 0603L 113.91,131.005 r270 top value=DNP (schematic designator C172)
C172_Ch3 "GRM1885C1H101JA01D" 0603L 153.584,131.003 r270 top value=DNP (schematic designator C172)
C172_Ch4 "GRM1885C1H101JA01D" 0603L 193.259,131.001 r270 top value=DNP (schematic designator C172)
C172_Ch5 "GRM1885C1H101JA01D" 0603L 242.934,130.999 r270 top value=DNP (schematic designator C172)
C172_Ch6 "GRM1885C1H101JA01D" 0603L 282.609,130.997 r270 top value=DNP (schematic designator C172)
C172_Ch7 "GRM1885C1H101JA01D" 0603L 322.284,130.995 r270 top value=DNP (schematic designator C172)
C172_Ch8 "GRM1885C1H101JA01D" 0603L 361.958,130.993 r270 top value=DNP (schematic designator C172)
C173 "C0603C105K3RACTU" 0603C 143.466,199.997 r270 top value=1uF
C174_Ch1 "Capacitor" 0603 76.378,135.56 r90 top value=0.1uF (schematic designator C174)
C174_Ch2 "Capacitor" 0603 115.443,135.558 r90 top value=0.1uF (schematic designator C174)
C174_Ch3 "Capacitor" 0603 155.118,135.556 r90 top value=0.1uF (schematic designator C174)
C174_Ch4 "Capacitor" 0603 194.793,135.554 r90 top value=0.1uF (schematic designator C174)
C174_Ch5 "Capacitor" 0603 244.467,135.552 r90 top value=0.1uF (schematic designator C174)
C174_Ch6 "Capacitor" 0603 284.142,135.55 r90 top value=0.1uF (schematic designator C174)
C174_Ch7 "Capacitor" 0603 323.817,135.548 r90 top value=0.1uF (schematic designator C174)
C174_Ch8 "Capacitor" 0603 363.492,135.546 r90 top value=0.1uF (schematic designator C174)
C175 "Capacitor" 0603 199.017,143.996 r0 top value=1uF
C176 "Capacitor" 0603 203.284,143.538 r0 top value=0.1uF
C177_Ch1 "Capacitor" 0603 72.015,142.946 r90 bottom value=1uF (schematic designator C177)
C177_Ch2 "Capacitor" 0603 111.08,142.944 r90 bottom value=1uF (schematic designator C177)
C177_Ch3 "Capacitor" 0603 150.755,142.942 r90 bottom value=1uF (schematic designator C177)
C177_Ch4 "Capacitor" 0603 190.43,142.94 r90 bottom value=1uF (schematic designator C177)
C177_Ch5 "Capacitor" 0603 240.104,142.938 r90 bottom value=1uF (schematic designator C177)
C177_Ch6 "Capacitor" 0603 279.779,142.936 r90 bottom value=1uF (schematic designator C177)
C177_Ch7 "Capacitor" 0603 319.454,142.934 r90 bottom value=1uF (schematic designator C177)
C177_Ch8 "Capacitor" 0603 359.129,142.932 r90 bottom value=1uF (schematic designator C177)
C178_Ch1 "GRM2195C1H752JA01D" 0805_HV 68.682,151.181 r270 top value=7500pF (schematic designator C178)
C178_Ch2 "GRM2195C1H752JA01D" 0805_HV 107.747,151.179 r270 top value=7500pF (schematic designator C178)
C178_Ch3 "GRM2195C1H752JA01D" 0805_HV 147.422,151.177 r270 top value=7500pF (schematic designator C178)
C178_Ch4 "GRM2195C1H752JA01D" 0805_HV 187.096,151.175 r270 top value=7500pF (schematic designator C178)
C178_Ch5 "GRM2195C1H752JA01D" 0805_HV 236.771,151.173 r270 top value=7500pF (schematic designator C178)
C178_Ch6 "GRM2195C1H752JA01D" 0805_HV 276.446,151.171 r270 top value=7500pF (schematic designator C178)
C178_Ch7 "GRM2195C1H752JA01D" 0805_HV 316.121,151.169 r270 top value=7500pF (schematic designator C178)
C178_Ch8 "GRM2195C1H752JA01D" 0805_HV 355.796,151.167 r270 top value=7500pF (schematic designator C178)
C179_Ch1 "Capacitor" 0603 76.378,135.56 r90 bottom value=1uF (schematic designator C179)
C179_Ch2 "Capacitor" 0603 115.443,135.558 r90 bottom value=1uF (schematic designator C179)
C179_Ch3 "Capacitor" 0603 155.118,135.556 r90 bottom value=1uF (schematic designator C179)
C179_Ch4 "Capacitor" 0603 194.793,135.554 r90 bottom value=1uF (schematic designator C179)
C179_Ch5 "Capacitor" 0603 244.467,135.552 r90 bottom value=1uF (schematic designator C179)
C179_Ch6 "Capacitor" 0603 284.142,135.55 r90 bottom value=1uF (schematic designator C179)
C179_Ch7 "Capacitor" 0603 323.817,135.548 r90 bottom value=1uF (schematic designator C179)
C179_Ch8 "Capacitor" 0603 363.492,135.546 r90 bottom value=1uF (schematic designator C179)
C180_Ch1 "GRM1885C1H101JA01D" 0603L 51.384,141.298 r180 top value=100p (schematic designator C180)
C180_Ch2 "GRM1885C1H101JA01D" 0603L 90.449,141.296 r180 top value=100p (schematic designator C180)
C180_Ch3 "GRM1885C1H101JA01D" 0603L 130.124,141.294 r180 top value=100p (schematic designator C180)
C180_Ch4 "GRM1885C1H101JA01D" 0603L 169.799,141.292 r180 top value=100p (schematic designator C180)
C180_Ch5 "GRM1885C1H101JA01D" 0603L 219.474,141.29 r180 top value=100p (schematic designator C180)
C180_Ch6 "GRM1885C1H101JA01D" 0603L 259.149,141.288 r180 top value=100p (schematic designator C180)
C180_Ch7 "GRM1885C1H101JA01D" 0603L 298.823,141.286 r180 top value=100p (schematic designator C180)
C180_Ch8 "GRM1885C1H101JA01D" 0603L 338.498,141.284 r180 top value=100p (schematic designator C180)
C181_Ch1 "Capacitor" 0603 54.417,132.944 r0 top value=0.1uF (schematic designator C181)
C181_Ch2 "Capacitor" 0603 93.482,132.942 r0 top value=0.1uF (schematic designator C181)
C181_Ch3 "Capacitor" 0603 133.157,132.94 r0 top value=0.1uF (schematic designator C181)
C181_Ch4 "Capacitor" 0603 172.832,132.938 r0 top value=0.1uF (schematic designator C181)
C181_Ch5 "Capacitor" 0603 222.506,132.936 r0 top value=0.1uF (schematic designator C181)
C181_Ch6 "Capacitor" 0603 262.181,132.934 r0 top value=0.1uF (schematic designator C181)
C181_Ch7 "Capacitor" 0603 301.856,132.932 r0 top value=0.1uF (schematic designator C181)
C181_Ch8 "Capacitor" 0603 341.531,132.93 r0 top value=0.1uF (schematic designator C181)
C182_Ch1 "Capacitor" 0603 53.667,140.843 r90 top value=0.1uF (schematic designator C182)
C182_Ch2 "Capacitor" 0603 92.732,140.841 r90 top value=0.1uF (schematic designator C182)
C182_Ch3 "Capacitor" 0603 132.407,140.839 r90 top value=0.1uF (schematic designator C182)
C182_Ch4 "Capacitor" 0603 172.082,140.837 r90 top value=0.1uF (schematic designator C182)
C182_Ch5 "Capacitor" 0603 221.756,140.835 r90 top value=0.1uF (schematic designator C182)
C182_Ch6 "Capacitor" 0603 261.431,140.833 r90 top value=0.1uF (schematic designator C182)
C182_Ch7 "Capacitor" 0603 301.106,140.831 r90 top value=0.1uF (schematic designator C182)
C182_Ch8 "Capacitor" 0603 340.781,140.829 r90 top value=0.1uF (schematic designator C182)
C183_Ch1 "Capacitor" 0603 40.254,130.112 r270 top value=0.1uF (schematic designator C183)
C183_Ch2 "Capacitor" 0603 79.319,130.11 r270 top value=0.1uF (schematic designator C183)
C183_Ch3 "Capacitor" 0603 118.994,130.108 r270 top value=0.1uF (schematic designator C183)
C183_Ch4 "Capacitor" 0603 158.676,130.099 r270 top value=0.1uF (schematic designator C183)
C183_Ch5 "Capacitor" 0603 208.344,130.104 r270 top value=0.1uF (schematic designator C183)
C183_Ch6 "Capacitor" 0603 248.019,130.102 r270 top value=0.1uF (schematic designator C183)
C183_Ch7 "Capacitor" 0603 287.693,130.1 r270 top value=0.1uF (schematic designator C183)
C183_Ch8 "Capacitor" 0603 327.368,130.098 r270 top value=0.1uF (schematic designator C183)
C184_Ch1 "C0603C103J3GECAUTO" 0603 66.888,168.963 r0 top value=0.01uF (schematic designator C184)
C184_Ch2 "C0603C103J3GECAUTO" 0603 70.988,168.963 r0 top value=0.01uF (schematic designator C184)
C184_Ch3 "C0603C103J3GECAUTO" 0603 75.488,168.963 r180 top value=0.01uF (schematic designator C184)
C184_Ch4 "C0603C103J3GECAUTO" 0603 79.715,168.963 r180 top value=0.01uF (schematic designator C184)
C184_Ch5 "C0603C103J3GECAUTO" 0603 310.152,168.933 r0 top value=0.01uF (schematic designator C184)
C184_Ch6 "C0603C103J3GECAUTO" 0603 314.154,168.933 r0 top value=0.01uF (schematic designator C184)
C184_Ch7 "C0603C103J3GECAUTO" 0603 318.654,168.933 r180 top value=0.01uF (schematic designator C184)
C184_Ch8 "C0603C103J3GECAUTO" 0603 322.881,168.933 r180 top value=0.01uF (schematic designator C184)
C185_Ch1 "Capacitor" 0603 54.733,129.896 r270 top value=0.1uF (schematic designator C185)
C185_Ch2 "Capacitor" 0603 93.798,129.894 r270 top value=0.1uF (schematic designator C185)
C185_Ch3 "Capacitor" 0603 133.473,129.892 r270 top value=0.1uF (schematic designator C185)
C185_Ch4 "Capacitor" 0603 173.148,129.89 r270 top value=0.1uF (schematic designator C185)
C185_Ch5 "Capacitor" 0603 222.822,129.888 r270 top value=0.1uF (schematic designator C185)
C185_Ch6 "Capacitor" 0603 262.497,129.886 r270 top value=0.1uF (schematic designator C185)
C185_Ch7 "Capacitor" 0603 302.172,129.884 r270 top value=0.1uF (schematic designator C185)
C185_Ch8 "Capacitor" 0603 341.847,129.882 r270 top value=0.1uF (schematic designator C185)
C186 "Capacitor" 0603 203.361,150.701 r0 top value=0.1uF
C187 "CGA2B2C0G1H100D050BA" 0402 310.65,177.332 r270 top value=10pF
C188 "Capacitor" 0603 316.964,177.28 r270 bottom value=0.1uF
C189 "Capacitor" 0603 316.961,180.633 r90 bottom value=0.1uF
C190 "CGA2B2C0G1H100D050BA" 0402 313.203,174.817 r180 top value=10pF
C191 "Capacitor" 0603 316.327,174.639 r180 top value=0.1uF
C192 "CGA2B2C0G1H100D050BA" 0402 319.454,174.817 r0 top value=10pF
C193 "CGA2B2C0G1H100D050BA" 0402 322.284,177.332 r270 top value=10pF
C194 "Capacitor" 0603 342.41,198.14 r270 bottom value=0.1uF
C195 "Capacitor" 0603 344.524,198.106 r270 bottom value=1uF
C449 "ZRB18AD71A106KE01L" 0603L 245.649,173.294 r0 top value=10uF
C453 "GRM188R71E105KA12D" 0603 250.424,189.601 r180 top value=1uF
C454 "C0603C104J3RACTU" 0603 250.38,176.11 r180 top value=0.1uF
C455 "C0603C104J3RACTU" 0603 247.325,186.095 r90 top value=0.1uF
C459 "ZRB18AD71A106KE01L" 0603L 251.18,165.496 r270 top value=10uF
C460 "C0603C104J3RACTU" 0603 250.424,182.476 r0 top value=0.1uF
C461 "06035A101JAT2A" 0603 248.697,169.509 r180 top value=100pF
CAN "Header 5" TERM_BLK_ED555-5DS 313.705,204.851 r180 top
D1_Ch1 "NSR0240V2T1G" SOD-523 51.242,90.686 r90 top value=40V (schematic designator D1)
D1_Ch2 "NSR0240V2T1G" SOD-523 90.307,90.685 r90 top value=40V (schematic designator D1)
D1_Ch3 "NSR0240V2T1G" SOD-523 129.982,90.682 r90 top value=40V (schematic designator D1)
D1_Ch4 "NSR0240V2T1G" SOD-523 169.657,90.681 r90 top value=40V (schematic designator D1)
D1_Ch5 "NSR0240V2T1G" SOD-523 219.331,90.678 r90 top value=40V (schematic designator D1)
D1_Ch6 "NSR0240V2T1G" SOD-523 259.006,90.677 r90 top value=40V (schematic designator D1)
D1_Ch7 "NSR0240V2T1G" SOD-523 298.681,90.674 r90 top value=40V (schematic designator D1)
D1_Ch8 "NSR0240V2T1G" SOD-523 338.356,90.673 r90 top value=40V (schematic designator D1)
D2_Ch1 "FERD20H100SB-TR" DPAK 68.833,68.913 r180 bottom value=45V (schematic designator D2)
D2_Ch2 "FERD20H100SB-TR" DPAK 107.898,68.911 r180 bottom value=45V (schematic designator D2)
D2_Ch3 "FERD20H100SB-TR" DPAK 147.573,68.909 r180 bottom value=45V (schematic designator D2)
D2_Ch4 "FERD20H100SB-TR" DPAK 187.248,68.907 r180 bottom value=45V (schematic designator D2)
D2_Ch5 "FERD20H100SB-TR" DPAK 236.922,68.905 r180 bottom value=45V (schematic designator D2)
D2_Ch6 "FERD20H100SB-TR" DPAK 276.597,68.903 r180 bottom value=45V (schematic designator D2)
D2_Ch7 "FERD20H100SB-TR" DPAK 316.272,68.901 r180 bottom value=45V (schematic designator D2)
D2_Ch8 "FERD20H100SB-TR" DPAK 355.947,68.899 r180 bottom value=45V (schematic designator D2)